# Allegro board 038RT-9068CJK8E-A100_0921_1.brd (continued)
## Nets (continued)
SLOT3.CH89: SLOT3-UP.E9 UNK3RD96.2
SLOT3.CH90: SLOT3-UP.F9 UNK3RD97.1
SLOT3.CH91: SLOT3-UP.E7 UNK3RD90.2
SLOT3.CH92: SLOT3-UP.F7 UNK3RD100.2
SLOT3.CH93: SLOT3-UP.E5 UNK3RD87.2
SLOT3.CH94: SLOT3-UP.F5 UNK3RD92.2
SLOT3.CH95: SLOT3-UP.E3 UNK3K183.5
SLOT3.CH96: MUX6.6(DA) SLOT3-DOWN.E25
SLOT3.CH97: MUX6.7(DB) SLOT3-DOWN.D24
SLOT3.CH98: MUX9.6(DA) SLOT3-DOWN.F24
SLOT3.CH99: MUX9.7(DB) SLOT3-DOWN.E23
SLOT3.CH100: SITE1.M7(GPIOE_3) SLOT3-DOWN.D22
SLOT3.CH101: SLOT3-DOWN.F22 UNK1K8.8 UNK3CD175.1
SLOT3.CH102: SLOT3-DOWN.E21 UNK3RD75.2
SLOT3.CH103: SLOT3-DOWN.D20 UNK1RD75.2
SLOT3.CH104: SLOT3-DOWN.F20 UNK2RD75.2
SLOT3.CH105: RD75.2 SLOT3-DOWN.E19
SLOT3.CH106: SLOT3-DOWN.D18 UNK1K233.4
SLOT3.CH107: SLOT3-DOWN.F18 UNK1RR933.2
SLOT3.CH108: SLOT3-DOWN.E17 UNK1K9.8 UNK3CD176.1
SLOT3.CH109: SLOT3-DOWN.D16 UNK1RR930.2
SLOT3.CH110: SLOT3-DOWN.F16 UNK1CD175.1 UNK1K8.5
SLOT3.CH111: SLOT3-DOWN.E15 UNK1CD176.1 UNK1K9.5
SLOT3.CH112: SLOT3-DOWN.D14 UNK1RR514.2
SLOT3.CH113: SLOT3-DOWN.F14 UNK1K183.5
SLOT3.CH114: SLOT3-DOWN.E13 UNK1RR515.2
SLOT3.CH115: SLOT3-DOWN.D12 UNK1RR511.2
SLOT3.CH116: SLOT3-DOWN.F12 UNK1RR510.2
SLOT3.CH117: SLOT3-DOWN.E11 UNK1RD73.2
SLOT3.CH118: SLOT3-DOWN.D10 UNK3RD73.2
SLOT3.CH119: SLOT3-DOWN.F10 UNK1HOST2.27 UNK1RH2271.1 UNK1RH2272.1
SLOT3.CH120: SLOT3-DOWN.E9 UNK2RD73.2
SLOT3.CH121: RD73.2 SLOT3-DOWN.F8
SLOT3.CH122: SLOT3-DOWN.E7 UNK1RR513.2
SLOT3.CH123: SLOT3-DOWN.F6 UNK1RR913.2
SLOT3.CH124: SLOT3-DOWN.E5 UNK1RR911.2
SLOT3.CH125: SLOT3-DOWN.F4 UNK1RR910.2
SLOT3.CH126: SLOT3-DOWN.E3 UNK1K7.10
SLOT3.CH127: SLOT3-DOWN.F2 UNK1RR914.2
SLOT3.DGS0: SLOT3-DOWN.B26 UNK3STB00.1
SLOT3.DGS64: SLOT3-UP.B5 UNK3STB64.1
SLOT3.EXTA0: SLOT3-UP.C6
SLOT3.EXTA1: SLOT3-UP.D7
SLOT3.EXTB0: SLOT3-UP.B3
SLOT3.EXTB1: SLOT3-UP.D3
SLOT3.EXTC0: SLOT3-DOWN.A27
SLOT3.EXTC1: SLOT3-DOWN.C27
SLOT3.EXTD0: SLOT3-DOWN.A25
SLOT3.EXTD1: SLOT3-DOWN.C25
SLOT3.PMU_F0: SLOT3-UP.A4
SLOT3.PMU_F1: SLOT3-DOWN.F26
SLOT3.PMU_G0: SLOT3-UP.D5
SLOT3.PMU_G1: SLOT3-DOWN.D27
SLOT3.PMU_S0: SLOT3-UP.C4
SLOT3.PMU_S1: SLOT3-DOWN.F27
SLOT3.UB0: K11.12(EMITTER) SLOT3-DOWN.A1 UNK1K11.12 UNK2K11.12 UNK3K11.12
SLOT3.UB1: K130.8(V-) SLOT3-DOWN.B2 UNK1K130.8 UNK2K130.8 UNK3K130.8
SLOT3.UB2: K8.12(EMITTER) SLOT3-DOWN.C1 UNK1K8.12
SLOT3.UB3: K60.8(V-) SLOT3-DOWN.C3 UNK1K60.8 UNK2K60.8 UNK3K60.8
SLOT3.UB4: K10.12(EMITTER) SLOT3-DOWN.D1 UNK1K10.12
SLOT3.UB5: K9.12(EMITTER) SLOT3-DOWN.D2 UNK1K9.12
SLOT3.UB6: RU11.1 SLOT3-DOWN.D3 UNK1RU11.1 UNK2RU11.1 UNK3RU11.1
SLOT3.UB7: R587.1 RU13.1 SLOT3-DOWN.D4
SLOT3.UB8: SLOT3-DOWN.D26
SLOT3.UB9: K241.8(V-) SLOT3-UP.A2 UNK1K241.8 UNK2K241.8 UNK3K241.8
SLOT3.UB10: K223.12(EMITTER) SLOT3-UP.B1 UNK1K223.12 UNK2K223.12 UNK3K223.12
SLOT3.UB11: SLOT3-UP.C2
SLOT3.UB12: K243.8(V-) SLOT3-UP.D1 UNK1K243.8 UNK2K243.8 UNK3K243.8
SLOT3.UB13: K240.8(V-) SLOT3-UP.E1 UNK1K240.8 UNK2K240.8 UNK3K240.8
SLOT3.UB14: K242.8(V-) SLOT3-UP.F1 UNK1K242.8 UNK2K242.8 UNK3K242.8
SLOT3.UB15: SLOT3-UP.F3
SLOT21.DGS00: SLOT21.C24
SLOT21.DGS01: SLOT21.C21
SLOT21.DGS02: SLOT21.C18
SLOT21.DGS03: SLOT21.C15
SLOT21.DGS04: SLOT21.C12
SLOT21.DGS05: SLOT21.C9
SLOT21.DGS06: SLOT21.C6
SLOT21.DGS07: SLOT21.C3
SLOT21.DGS08: SLOT21.D3
SLOT21.DGS09: SLOT21.D6
SLOT21.DGS10: SLOT21.D9
SLOT21.DGS11: SLOT21.D12
SLOT21.DGS12: SLOT21.D15
SLOT21.DGS13: SLOT21.D18
SLOT21.DGS14: SLOT21.D21
SLOT21.DGS15: SLOT21.D24
SLOT21.DGS16: SLOT21.F24
SLOT21.DGS17: SLOT21.F21
SLOT21.DGS18: SLOT21.F18
SLOT21.DGS19: SLOT21.F15
SLOT21.DGS20: SLOT21.F12
SLOT21.DGS21: SLOT21.F9
SLOT21.DGS22: SLOT21.F6
SLOT21.DGS23: SLOT21.F3
SLOT21.DGS24: SLOT21.A3
SLOT21.DGS25: SLOT21.A6
SLOT21.DGS26: SLOT21.A9
SLOT21.DGS27: SLOT21.A12
SLOT21.DGS28: SLOT21.A15
SLOT21.DGS29: SLOT21.A18
SLOT21.DGS30: SLOT21.A21
SLOT21.DGS31: SLOT21.A24
SLOT21.EXTSEND: SLOT21.F1
SLOT21.EXTTRIG: SLOT21.F4
SLOT21.FORCE00: SLOT21.D22
SLOT21.FORCE01: SLOT21.D19
SLOT21.FORCE02: SLOT21.D16
SLOT21.FORCE03: SLOT21.D13
SLOT21.FORCE04: SLOT21.D10
SLOT21.FORCE05: SLOT21.D7
SLOT21.FORCE06: SLOT21.D4
SLOT21.FORCE07: SLOT21.D1
SLOT21.FORCE08: SLOT21.E1
SLOT21.FORCE09: SLOT21.E4
SLOT21.FORCE10: SLOT21.E7
SLOT21.FORCE11: SLOT21.E10
SLOT21.FORCE12: SLOT21.E13
SLOT21.FORCE13: SLOT21.E16
SLOT21.FORCE14: SLOT21.E19
SLOT21.FORCE15: SLOT21.E22
SLOT21.FORCE16: SLOT21.E23
SLOT21.FORCE17: SLOT21.E20
SLOT21.FORCE18: SLOT21.E17
SLOT21.FORCE19: SLOT21.E14
SLOT21.FORCE20: SLOT21.E11
SLOT21.FORCE21: SLOT21.E8
SLOT21.FORCE22: SLOT21.E5
SLOT21.FORCE23: SLOT21.E2
SLOT21.FORCE24: SLOT21.B1
SLOT21.FORCE25: SLOT21.B4
SLOT21.FORCE26: SLOT21.B7
SLOT21.FORCE27: SLOT21.B10
SLOT21.FORCE28: SLOT21.B13
SLOT21.FORCE29: SLOT21.B16
SLOT21.FORCE30: SLOT21.B19
SLOT21.FORCE31: SLOT21.B22
SLOT21.SENSE00: SLOT21.C22
SLOT21.SENSE01: SLOT21.C19
SLOT21.SENSE02: SLOT21.C16
SLOT21.SENSE03: SLOT21.C13
SLOT21.SENSE04: SLOT21.C10
SLOT21.SENSE05: SLOT21.C7
SLOT21.SENSE06: SLOT21.C4
SLOT21.SENSE07: SLOT21.C1
SLOT21.SENSE08: SLOT21.C2
SLOT21.SENSE09: SLOT21.C5
SLOT21.SENSE10: SLOT21.C8
SLOT21.SENSE11: SLOT21.C11
SLOT21.SENSE12: SLOT21.C14
SLOT21.SENSE13: SLOT21.C17
SLOT21.SENSE14: SLOT21.C20
SLOT21.SENSE15: SLOT21.C23
SLOT21.SENSE16: SLOT21.F23
SLOT21.SENSE17: SLOT21.F20
SLOT21.SENSE18: SLOT21.F17
SLOT21.SENSE19: SLOT21.F14
SLOT21.SENSE20: SLOT21.F11
SLOT21.SENSE21: SLOT21.F8
SLOT21.SENSE22: SLOT21.F5
SLOT21.SENSE23: SLOT21.F2
SLOT21.SENSE24: SLOT21.A1
SLOT21.SENSE25: SLOT21.A4
SLOT21.SENSE26: SLOT21.A7
SLOT21.SENSE27: SLOT21.A10
SLOT21.SENSE28: SLOT21.A13
SLOT21.SENSE29: SLOT21.A16
SLOT21.SENSE30: SLOT21.A19
SLOT21.SENSE31: SLOT21.A22
SLOT22.DGS00: SLOT22.C24
SLOT22.DGS01: SLOT22.C21
SLOT22.DGS02: SLOT22.C18
SLOT22.DGS03: SLOT22.C15
SLOT22.DGS04: SLOT22.C12
SLOT22.DGS05: SLOT22.C9
SLOT22.DGS06: SLOT22.C6
SLOT22.DGS07: SLOT22.C3
SLOT22.DGS08: SLOT22.D3
SLOT22.DGS09: SLOT22.D6
SLOT22.DGS10: SLOT22.D9
SLOT22.DGS11: SLOT22.D12
SLOT22.DGS12: SLOT22.D15
SLOT22.DGS13: SLOT22.D18
SLOT22.DGS14: SLOT22.D21
SLOT22.DGS15: SLOT22.D24
SLOT22.DGS16: SLOT22.F24
SLOT22.DGS17: SLOT22.F21
SLOT22.DGS18: SLOT22.F18
SLOT22.DGS19: SLOT22.F15
SLOT22.DGS20: SLOT22.F12
SLOT22.DGS21: SLOT22.F9
SLOT22.DGS22: SLOT22.F6
SLOT22.DGS23: SLOT22.F3
SLOT22.DGS24: SLOT22.A3
SLOT22.DGS25: SLOT22.A6
SLOT22.DGS26: SLOT22.A9
SLOT22.DGS27: SLOT22.A12
SLOT22.DGS28: SLOT22.A15
SLOT22.DGS29: SLOT22.A18
SLOT22.DGS30: SLOT22.A21
SLOT22.DGS31: SLOT22.A24
SLOT22.EXTSEND: SLOT22.F1
SLOT22.EXTTRIG: SLOT22.F4
SLOT22.FORCE00: SLOT22.D22
SLOT22.FORCE01: SLOT22.D19
SLOT22.FORCE02: SLOT22.D16
SLOT22.FORCE03: SLOT22.D13
SLOT22.FORCE04: SLOT22.D10
SLOT22.FORCE05: SLOT22.D7
SLOT22.FORCE06: SLOT22.D4
SLOT22.FORCE07: SLOT22.D1
SLOT22.FORCE08: SLOT22.E1
SLOT22.FORCE09: SLOT22.E4
SLOT22.FORCE10: SLOT22.E7
SLOT22.FORCE11: SLOT22.E10
SLOT22.FORCE12: SLOT22.E13
SLOT22.FORCE13: SLOT22.E16
SLOT22.FORCE14: SLOT22.E19
SLOT22.FORCE15: SLOT22.E22
SLOT22.FORCE16: SLOT22.E23
SLOT22.FORCE17: SLOT22.E20
SLOT22.FORCE18: SLOT22.E17
SLOT22.FORCE19: SLOT22.E14
SLOT22.FORCE20: SLOT22.E11
SLOT22.FORCE21: SLOT22.E8
SLOT22.FORCE22: SLOT22.E5
SLOT22.FORCE23: SLOT22.E2
SLOT22.FORCE24: SLOT22.B1
SLOT22.FORCE25: SLOT22.B4
SLOT22.FORCE26: SLOT22.B7
SLOT22.FORCE27: SLOT22.B10
SLOT22.FORCE28: SLOT22.B13
SLOT22.FORCE29: SLOT22.B16
SLOT22.FORCE30: SLOT22.B19
SLOT22.FORCE31: SLOT22.B22
SLOT22.SENSE00: SLOT22.C22
SLOT22.SENSE01: SLOT22.C19
SLOT22.SENSE02: SLOT22.C16
SLOT22.SENSE03: SLOT22.C13
SLOT22.SENSE04: SLOT22.C10
SLOT22.SENSE05: SLOT22.C7
SLOT22.SENSE06: SLOT22.C4
SLOT22.SENSE07: SLOT22.C1
SLOT22.SENSE08: SLOT22.C2
SLOT22.SENSE09: SLOT22.C5
SLOT22.SENSE10: SLOT22.C8
SLOT22.SENSE11: SLOT22.C11
SLOT22.SENSE12: SLOT22.C14
SLOT22.SENSE13: SLOT22.C17
SLOT22.SENSE14: SLOT22.C20
SLOT22.SENSE15: SLOT22.C23
SLOT22.SENSE16: SLOT22.F23
SLOT22.SENSE17: SLOT22.F20
SLOT22.SENSE18: SLOT22.F17
SLOT22.SENSE19: SLOT22.F14
SLOT22.SENSE20: SLOT22.F11
SLOT22.SENSE21: SLOT22.F8
SLOT22.SENSE22: SLOT22.F5
SLOT22.SENSE23: SLOT22.F2
SLOT22.SENSE24: SLOT22.A1
SLOT22.SENSE25: SLOT22.A4
SLOT22.SENSE26: SLOT22.A7
SLOT22.SENSE27: SLOT22.A10
SLOT22.SENSE28: SLOT22.A13
SLOT22.SENSE29: SLOT22.A16
SLOT22.SENSE30: SLOT22.A19
SLOT22.SENSE31: SLOT22.A22
SLOT23.DGS00: SLOT23.C21 SLOT23.C24 STG1.2
SLOT23.DGS02: SLOT23.C18 UNK2STG3.2
SLOT23.DGS03: SLOT23.C15 UNK2STG2.2
SLOT23.DGS04: SLOT23.C12 STG6.2
SLOT23.DGS05: SLOT23.C9 STG3.2
SLOT23.DGS06: SLOT23.C3 SLOT23.C6 UNK2STG1.2
SLOT23.DGS08: SLOT23.D3 STG2.2
SLOT23.DGS09: SLOT23.D6 STG01.2
SLOT23.DGS10: SLOT23.D9
SLOT23.DGS11: SLOT23.D12
SLOT23.DGS12: SLOT23.D15
SLOT23.DGS13: SLOT23.D18
SLOT23.DGS14: SLOT23.D21
SLOT23.DGS15: SLOT23.D24 UNK2STG01.2
SLOT23.DGS16: SLOT23.F21 SLOT23.F24 UNK2STG5.2
SLOT23.DGS18: SLOT23.F18 UNK2STG6.2
SLOT23.DGS19: SLOT23.F15
SLOT23.DGS20: SLOT23.F12
SLOT23.DGS21: SLOT23.F9
SLOT23.DGS22: SLOT23.F3 SLOT23.F6 STG5.2
SLOT23.DGS24: SLOT23.A3
SLOT23.DGS25: SLOT23.A6
SLOT23.DGS26: SLOT23.A9
SLOT23.DGS27: SLOT23.A12
SLOT23.DGS28: SLOT23.A15
SLOT23.DGS29: SLOT23.A18
SLOT23.DGS30: SLOT23.A21
SLOT23.DGS31: SLOT23.A24
SLOT23.EXTSEND: SLOT23.F1
SLOT23.EXTTRIG: SLOT23.F4
SLOT23.FORCE09: CH1332.1 CH1333.1 CH1334.1 RHPC1.2 SLOT23.E4 ST01.1
SLOT23.FORCE10: SLOT23.E7
SLOT23.FORCE11: SLOT23.E10
SLOT23.FORCE12: SLOT23.E13
SLOT23.FORCE13: SLOT23.E16
SLOT23.FORCE14: SLOT23.E19
SLOT23.FORCE15: SLOT23.E22 UNK2CH1332.1 UNK2CH1333.1 UNK2CH1334.1 UNK2RHPC1.2 UNK2ST01.1
SLOT23.FORCE19: SLOT23.E14
SLOT23.FORCE20: SLOT23.E11
SLOT23.FORCE21: SLOT23.E8
SLOT23.FORCE24: SLOT23.B1
SLOT23.FORCE25: SLOT23.B4
SLOT23.FORCE26: SLOT23.B7
SLOT23.FORCE27: SLOT23.B10
SLOT23.FORCE28: SLOT23.B13
SLOT23.FORCE29: SLOT23.B16
SLOT23.FORCE30: SLOT23.B19
SLOT23.FORCE31: SLOT23.B22
SLOT23.SENSE00: RS11.2 SLOT23.C22
SLOT23.SENSE01: RS11.1 SLOT23.C19 ST1.2
SLOT23.SENSE02: SLOT23.C16 UNK2ST3.2
SLOT23.SENSE03: SLOT23.C13 UNK2ST2.2
SLOT23.SENSE04: SLOT23.C10 ST6.2
SLOT23.SENSE05: SLOT23.C7 ST3.2
SLOT23.SENSE06: SLOT23.C4 UNK2RS11.2
SLOT23.SENSE07: SLOT23.C1 UNK2RS11.1 UNK2ST1.2
SLOT23.SENSE08: SLOT23.C2 ST2.2
SLOT23.SENSE09: SLOT23.C5 ST01.2
SLOT23.SENSE10: SLOT23.C8
SLOT23.SENSE11: SLOT23.C11
SLOT23.SENSE12: SLOT23.C14
SLOT23.SENSE13: SLOT23.C17
SLOT23.SENSE14: SLOT23.C20
SLOT23.SENSE15: SLOT23.C23 UNK2ST01.2
SLOT23.SENSE16: SLOT23.F23 UNK2RS5.2
SLOT23.SENSE17: SLOT23.F20 UNK2RS5.1 UNK2ST5.2
SLOT23.SENSE18: SLOT23.F17 UNK2ST6.2
SLOT23.SENSE19: SLOT23.F14
SLOT23.SENSE20: SLOT23.F11
SLOT23.SENSE21: SLOT23.F8
SLOT23.SENSE22: RS5.2 SLOT23.F5
SLOT23.SENSE23: RS5.1 SLOT23.F2 ST5.2
SLOT23.SENSE24: SLOT23.A1
SLOT23.SENSE25: SLOT23.A4
SLOT23.SENSE26: SLOT23.A7
SLOT23.SENSE27: SLOT23.A10
SLOT23.SENSE28: SLOT23.A13
SLOT23.SENSE29: SLOT23.A16
SLOT23.SENSE30: SLOT23.A19
SLOT23.SENSE31: SLOT23.A22
SLOT24.DGS00: SLOT24.C21 SLOT24.C24 UNK3STG1.2
SLOT24.DGS02: SLOT24.C18 UNK3STG3.2
SLOT24.DGS03: SLOT24.C15 UNK3STG01.2
SLOT24.DGS04: SLOT24.C12 UNK1STG01.2
SLOT24.DGS05: SLOT24.C9 UNK1STG3.2
SLOT24.DGS06: SLOT24.C3 SLOT24.C6 UNK1STG1.2
SLOT24.DGS08: SLOT24.D3 UNK1STG6.2
SLOT24.DGS09: SLOT24.D6 UNK1STG2.2
SLOT24.DGS10: SLOT24.D9
SLOT24.DGS11: SLOT24.D12
SLOT24.DGS12: SLOT24.D15
SLOT24.DGS13: SLOT24.D18
SLOT24.DGS14: SLOT24.D21 UNK3STG6.2
SLOT24.DGS15: SLOT24.D24 UNK3STG2.2
SLOT24.DGS16: SLOT24.F21 SLOT24.F24 UNK3STG5.2
SLOT24.DGS18: SLOT24.F18
SLOT24.DGS19: SLOT24.F15
SLOT24.DGS20: SLOT24.F12
SLOT24.DGS21: SLOT24.F9
SLOT24.DGS22: SLOT24.F3 SLOT24.F6 UNK1STG5.2
SLOT24.DGS24: SLOT24.A3
SLOT24.DGS25: SLOT24.A6
SLOT24.DGS26: SLOT24.A9
SLOT24.DGS27: SLOT24.A12
SLOT24.DGS28: SLOT24.A15
SLOT24.DGS29: SLOT24.A18
SLOT24.DGS30: SLOT24.A21
SLOT24.DGS31: SLOT24.A24
SLOT24.EXTSEND: SLOT24.F1
SLOT24.EXTTRIG: SLOT24.F4
SLOT24.FORCE03: SLOT24.D13 UNK3CH1332.1 UNK3CH1333.1 UNK3CH1334.1 UNK3RHPC1.2 UNK3ST01.1
SLOT24.FORCE04: SLOT24.D10 UNK1CH1332.1 UNK1CH1333.1 UNK1CH1334.1 UNK1RHPC1.2 UNK1ST01.1
SLOT24.FORCE10: SLOT24.E7
SLOT24.FORCE11: SLOT24.E10
SLOT24.FORCE12: SLOT24.E13
SLOT24.FORCE13: SLOT24.E16
SLOT24.FORCE18: SLOT24.E17
SLOT24.FORCE19: SLOT24.E14
SLOT24.FORCE20: SLOT24.E11
SLOT24.FORCE21: SLOT24.E8
SLOT24.FORCE24: SLOT24.B1
SLOT24.FORCE25: SLOT24.B4
SLOT24.FORCE26: SLOT24.B7
SLOT24.FORCE27: SLOT24.B10
SLOT24.FORCE28: SLOT24.B13
SLOT24.FORCE29: SLOT24.B16
SLOT24.FORCE30: SLOT24.B19
SLOT24.FORCE31: SLOT24.B22
SLOT24.SENSE00: SLOT24.C22 UNK3RS11.2
SLOT24.SENSE01: SLOT24.C19 UNK3RS11.1 UNK3ST1.2
SLOT24.SENSE02: SLOT24.C16 UNK3ST3.2
SLOT24.SENSE03: SLOT24.C13 UNK3ST01.2
SLOT24.SENSE04: SLOT24.C10 UNK1ST01.2
SLOT24.SENSE05: SLOT24.C7 UNK1ST3.2
SLOT24.SENSE06: SLOT24.C4 UNK1RS11.2
SLOT24.SENSE07: SLOT24.C1 UNK1RS11.1 UNK1ST1.2
SLOT24.SENSE08: SLOT24.C2 UNK1ST6.2
SLOT24.SENSE09: SLOT24.C5 UNK1ST2.2
SLOT24.SENSE10: SLOT24.C8
SLOT24.SENSE11: SLOT24.C11
SLOT24.SENSE12: SLOT24.C14
SLOT24.SENSE13: SLOT24.C17
SLOT24.SENSE14: SLOT24.C20 UNK3ST6.2
SLOT24.SENSE15: SLOT24.C23 UNK3ST2.2
SLOT24.SENSE16: SLOT24.F23 UNK3RS5.2
SLOT24.SENSE17: SLOT24.F20 UNK3RS5.1 UNK3ST5.2
SLOT24.SENSE18: SLOT24.F17
SLOT24.SENSE19: SLOT24.F14
SLOT24.SENSE20: SLOT24.F11
SLOT24.SENSE21: SLOT24.F8
SLOT24.SENSE22: SLOT24.F5 UNK1RS5.2
SLOT24.SENSE23: SLOT24.F2 UNK1RS5.1 UNK1ST5.2
SLOT24.SENSE24: SLOT24.A1
SLOT24.SENSE25: SLOT24.A4
SLOT24.SENSE26: SLOT24.A7
SLOT24.SENSE27: SLOT24.A10
SLOT24.SENSE28: SLOT24.A13
SLOT24.SENSE29: SLOT24.A16
SLOT24.SENSE30: SLOT24.A19
SLOT24.SENSE31: SLOT24.A22
SYSCLKN: SLOT18.C22
SYSCLKP: SLOT18.C21
TDRIO: SLOT18.B23
VDC: BDB23.2 BDB24.2 BDB25.2 BST_P45V.3 CA3.1 CB243.1 CB244.1 R18.2 RG1.2 UNK1R18.2 UNK1RG1.2 UNK2R18.2 UNK2RG1.2 UNK3R18.2 UNK3RG1.2
VN15: CT12.1 CT13.1 LDB6.2(B) SLOT18.A1 SLOT18.B1 TP_VN15.1(TP)
VP5A: CT1.1 CT4.1 CT5.1 LRB2.1 R587.2 R588.2 R589.2 R590.2 R591.2 R592.2 RB1.1 SLOT18.B5 SLOT18.C5 TP_VP5A.1(TP) UB1.8(VCC)
VP5A_RLD: LDB2.1(A) LRB2.2
VP5B: CT2.1 CT3.1 LRB1.1 SLOT18.A10 SLOT18.A12 SLOT18.A14 SLOT18.A15 SLOT18.B10 SLOT18.B12 SLOT18.B14 SLOT18.C10 SLOT18.C12 SLOT18.C14 TP_VP5B.1(TP)
VP5B_EN: RBB8.1 SLOT18.C16
VP5B_RLD: LDB1.1(A) LRB1.2
VP12: CBB0.1 CBB1.1 CBB2.1 CBB3.1 CBB4.1 CBB5.1 CBB6.1 CT6.1 CT7.1 FILTER1.1(B) LRB3.2 SLOT18.A4 SLOT18.B4 TP_VP12.1(TP)
VP12_F: FILTER1.2(CB) K4.1(COLLECTOR) K5.1(COLLECTOR) K6.1(COLLECTOR) K7.1(COLLECTOR) K8.1(COLLECTOR) K9.1(COLLECTOR) K10.1(COLLECTOR) K11.1(COLLECTOR) K34.1(V+) K52.1(V+) K54.1(V+) K56.1(V+) K58.1(V+) K60.1(V+) K64.1(V+) K82.1(COLLECTOR) K124.1(V+) K130.1(V+) K140.1(V+) K180.1(V+) K181.1(V+) K182.1(V+) K183.1(V+) K211.1(V+) K212.1(V+) K220.1(V+) K221.1(V+) K223.1(COLLECTOR) K225.1(V+) K226.1(V+) K227.1(V+) K228.1(V+) K231.1(V+) K232.1(V+) K233.1(V+) K240.1(V+) K241.1(V+) K242.1(V+) K243.1(V+) KB1.1(COLLECTOR) MUX1.12(VDD) MUX2.12(VDD) MUX3.12(VDD) MUX4.12(VDD) MUX5.12(VDD) MUX6.12(VDD) MUX7.12(VDD) MUX8.12(VDD) MUX9.12(VDD) MUX10.12(VDD) MUX11.12(VDD) MUX12.12(VDD) MUX13.12(VDD) MUX14.12(VDD) MUX15.12(VDD) MUX16.12(VDD) UNK1K4.1 UNK1K5.1 UNK1K6.1 UNK1K7.1 UNK1K8.1 UNK1K9.1 UNK1K10.1 UNK1K11.1 UNK1K34.1 UNK1K52.1 UNK1K54.1 UNK1K56.1 UNK1K58.1 UNK1K60.1 UNK1K64.1 UNK1K82.1 UNK1K124.1 UNK1K130.1 UNK1K140.1 UNK1K180.1 UNK1K181.1 UNK1K182.1 UNK1K183.1 UNK1K211.1 UNK1K212.1 UNK1K220.1 UNK1K221.1 UNK1K223.1 UNK1K225.1 UNK1K226.1 UNK1K227.1 UNK1K228.1 UNK1K231.1 UNK1K232.1 UNK1K233.1 UNK1K240.1 UNK1K241.1 UNK1K242.1 UNK1K243.1 UNK2K4.1 UNK2K5.1 UNK2K6.1 UNK2K7.1 UNK2K11.1 UNK2K34.1 UNK2K52.1 UNK2K54.1 UNK2K56.1 UNK2K58.1 UNK2K60.1 UNK2K64.1 UNK2K124.1 UNK2K130.1 UNK2K140.1 UNK2K180.1 UNK2K181.1 UNK2K182.1 UNK2K183.1 UNK2K211.1 UNK2K212.1 UNK2K220.1 UNK2K221.1 UNK2K223.1 UNK2K225.1 UNK2K226.1 UNK2K227.1 UNK2K228.1 UNK2K231.1 UNK2K232.1 UNK2K233.1 UNK2K240.1 UNK2K241.1 UNK2K242.1 UNK2K243.1 UNK3K4.1 UNK3K5.1 UNK3K6.1 UNK3K7.1 UNK3K11.1 UNK3K34.1 UNK3K52.1 UNK3K54.1 UNK3K56.1 UNK3K58.1 UNK3K60.1 UNK3K64.1 UNK3K124.1 UNK3K130.1 UNK3K140.1 UNK3K180.1 UNK3K181.1 UNK3K182.1 UNK3K183.1 UNK3K211.1 UNK3K212.1 UNK3K220.1 UNK3K221.1 UNK3K223.1 UNK3K225.1 UNK3K226.1 UNK3K227.1 UNK3K228.1 UNK3K231.1 UNK3K232.1 UNK3K233.1 UNK3K240.1 UNK3K241.1 UNK3K242.1 UNK3K243.1
VP12_R: FILTER1.4(CG1) FILTER1.5(CG2) FILTER1.6(CG3) R1.1
VP12_RLD: LDB3.1(A) LRB3.1
VP15: CT10.1 CT11.1 LRB5.2 SLOT18.A2 SLOT18.B2 TP_VP15.1(TP)
VP15_RLD: LDB5.1(A) LRB5.1
VP24: CT8.1 CT9.1 LRB4.2 SLOT18.A3 SLOT18.B3 TP_VP24.1(TP)
VP24_RLD: LDB4.1(A) LRB4.1
VR24: SLOT18.C3 SLOT18.C4
N16084055: LDB6.1(A) LRB6.1
N44862767: RB1.2 UB1.3(W\P\) UB1.7(H\O\L\D\)

Pads without a net: ATX1 8 9 14 20; CON1 4 5 7 8; CON3 4 5 7 8; FD1 1; FD2 1; FD3 1; FD4 1; FD5 1; FD6 1; FD7 1; FD8 1; FD9 1; FD10 1; FD11 1; FD12 1; FD13 1; FD14 1; FD15 1; FD16 1; FD17 1; FD18 1; FD19 1; FD20 1; FD21 1; FD22 1; FD23 1; FD24 1; FD25 1; FD26 1; FD27 1; FD28 1; FD29 1; FD30 1; FD31 1; FD32 1; FD33 1; FD34 1; FD35 1; FD36 1; GOLD0 NUT1 NUT2 NUT3 NUT4; GOLD1 NUT1 NUT2 NUT3 NUT4; GOLD2 NUT1 NUT2 NUT3 NUT4; GOLD3 NUT1 NUT2 NUT3 NUT4; HOST1 37 38 41 42 43 44 46 47 48 49 56 57 58 59 NUT1 NUT2 NUT3 NUT4; HOST2 37 38 41 42 43 44 46 47 48 49 56 57 58 59 NUT1 NUT2 NUT3 NUT4; K5 8; K6 8; K7 3; K54 2 7; K58 2 7; K124 2 7; K144 18 42; K145 6 7 15 16 18 22 23 26 27 31 32 35 36 42; K184 18 42; K213 18 42; K214 18 42; K217 2 3 6 7 18 31 32 33 34 35 36 37 38 42; K223 8 9 10; K228 5 6 7; K231 2 3 4; K240 4 5; K241 4 5; K242 4 5; K243 4 5; KB1 3 10; LOGO1 1; LOGO2 1; MQS1 5 14; MUX16 7 8 9 10 11; PT1 GH1 GH2; PT3 GH1 GH2; QFN68-8X8-P0.4MM 1; R553 2; R555 2; R556 2; R557 2; R558 2; R559 2; R560 2; R561 2; R562 2; R567 2; R578 2; R579 2; R580 2; R581 2; R582 2; R583 2; RG73 2; RG74 2; RG75 2; RG76 2; RG77 2; RG78 2; RH130 2; RH132 2; RH152 1; RH162 1; RH182 1; RH192 1; RH230 2; RH232 2; RH252 1; RH262 1; RH282 1; RH292 1; RH1104 1; RH1182 1; RH1192 1; RH1232 1; RH1243 1; RH1263 1; RH1273 1; RH1283 1; RH2104 1; RH2182 1; RH2192 1; RH2232 1; RH2243 1; RH2263 1; RH2273 1; RH2283 1; RL38 2; RTL9068ABD-V2-GR1 1; SITE0 NUT1 NUT2 NUT3 NUT4; SITE1 NUT1 NUT2 NUT3 NUT4; SITE2 NUT1 NUT2 NUT3 NUT4; SITE3 NUT1 NUT2 NUT3 NUT4; SKB1 NUT1 NUT2 NUT3 NUT4; SLOT0-DOWN D6 D8; SLOT0-UP D9 D11; SLOT1-DOWN D6 D8; SLOT1-UP D9 D11; SLOT2-DOWN D6 D8; SLOT2-UP D9 D11; SLOT3-DOWN D6 D8; SLOT3-UP D9 D11; SLOT4-DOWN A1 A2 A3 A4 A5 A6 A7 A8 A9 A10 A11 A12 A13 A14 A15 A16 A17 A18 A19 A20 A21 A22 A23 A24 A25 A26 A27 B1 B2 B3 B4 B5 B6 B7 B8 B9 B10 B11 B12 B13 B14 B15 B16 B17 B18 B19 B20 B21 B22 B23 B24 B25 B26 B27 C1 C2 C3 C4 C5 C6 C7 C8 C9 C10 C11 C12 C13 C14 C15 C16 C17 C18 C19 C20 C21 C22 C23 C24 C25 C26 C27 D1 D2 D3 D4 D5 D6 D7 D8 D9 D10 D11 D12 D13 D14 D15 D16 D17 D18 D19 D20 D21 D22 D23 D24 D25 D26 D27 E1 E2 E3 E4 E5 E6 E7 E8 E9 E10 E11 E12 E13 E14 E15 E16 E17 E18 E19 E20 E21 E22 E23 E24 E25 E26 F1 F2 F3 F4 F5 F6 F7 F8 F9 F10 F11 F12 F13 F14 F15 F16 F17 F18 F19 F20 F21 F22 F23 F24 F25 F26 F27; SLOT4-UP A1 A2 A3 A4 A5 A6 A7 A8 A9 A10 A11 A12 A13 A14 A15 A16 A17 A18 A19 A20 A21 A22 A23 A24 A25 A26 A27 B1 B2 B3 B4 B5 B6 B7 B8 B9 B10 B11 B12 B13 B14 B15 B16 B17 B18 B19 B20 B21 B22 B23 B24 B25 B26 B27 C1 C2 C3 C4 C5 C6 C7 C8 C9 C10 C11 C12 C13 C14 C15 C16 C17 C18 C19 C20 C21 C22 C23 C24 C25 C26 C27 D1 D2 D3 D4 D5 D6 D7 D8 D9 D10 D11 D12 D13 D14 D15 D16 D17 D18 D19 D20 D21 D22 D23 D24 D25 D26 D27 E1 E2 E3 E4 E5 E6 E7 E8 E9 E10 E11 E12 E13 E14 E15 E16 E17 E18 E19 E20 E21 E22 E23 E24 E25 E26 F1 F2 F3 F4 F5 F6 F7 F8 F9 F10 F11 F12 F13 F14 F15 F16 F17 F18 F19 F20 F21 F22 F23 F24 F25 F26 F27; SLOT5-DOWN A1 A2 A3 A4 A5 A6 A7 A8 A9 A10 A11 A12 A13 A14 A15 A16 A17 A18 A19 A20 A21 A22 A23 A24 A25 A26 A27 B1 B2 B3 B4 B5 B6 B7 B8 B9 B10 B11 B12 B13 B14 B15 B16 B17 B18 B19 B20 B21 B22 B23 B24 B25 B26 B27 C1 C2 C3 C4 C5 C6 C7 C8 C9 C10 C11 C12 C13 C14 C15 C16 C17 C18 C19 C20 C21 C22 C23 C24 C25 C26 C27 D1 D2 D3 D4 D5 D6 D7 D8 D9 D10 D11 D12 D13 D14 D15 D16 D17 D18 D19 D20 D21 D22 D23 D24 D25 D26 D27 E1 E2 E3 E4 E5 E6 E7 E8 E9 E10 E11 E12 E13 E14 E15 E16 E17 E18 E19 E20 E21 E22 E23 E24 E25 E26 F1 F2 F3 F4 F5 F6 F7 F8 F9 F10 F11 F12 F13 F14 F15 F16 F17 F18 F19 F20 F21 F22 F23 F24 F25 F26 F27; SLOT5-UP A1 A2 A3 A4 A5 A6 A7 A8 A9 A10 A11 A12 A13 A14 A15 A16 A17 A18 A19 A20 A21 A22 A23 A24 A25 A26 A27 B1 B2 B3 B4 B5 B6 B7 B8 B9 B10 B11 B12 B13 B14 B15 B16 B17 B18 B19 B20 B21 B22 B23 B24 B25 B26 B27 C1 C2 C3 C4 C5 C6 C7 C8 C9 C10 C11 C12 C13 C14 C15 C16 C17 C18 C19 C20 C21 C22 C23 C24 C25 C26 C27 D1 D2 D3 D4 D5 D6 D7 D8 D9 D10 D11 D12 D13 D14 D15 D16 D17 D18 D19 D20 D21 D22 D23 D24 D25 D26 D27 E1 E2 E3 E4 E5 E6 E7 E8 E9 E10 E11 E12 E13 E14 E15 E16 E17 E18 E19 E20 E21 E22 E23 E24 E25 E26 F1 F2 F3 F4 F5 F6 F7 F8 F9 F10 F11 F12 F13 F14 F15 F16 F17 F18 F19 F20 F21 F22 F23 F24 F25 F26 F27; SLOT6-DOWN A1 A2 A3 A4 A5 A6 A7 A8 A9 A10 A11 A12 A13 A14 A15 A16 A17 A18 A19 A20 A21 A22 A23 A24 A25 A26 A27 B1 B2 B3 B4 B5 B6 B7 B8 B9 B10 B11 B12 B13 B14 B15 B16 B17 B18 B19 B20 B21 B22 B23 B24 B25 B26 B27 C1 C2 C3 C4 C5 C6 C7 C8 C9 C10 C11 C12 C13 C14 C15 C16 C17 C18 C19 C20 C21 C22 C23 C24 C25 C26 C27 D1 D2 D3 D4 D5 D6 D7 D8 D9 D10 D11 D12 D13 D14 D15 D16 D17 D18 D19 D20 D21 D22 D23 D24 D25 D26 D27 E1 E2 E3 E4 E5 E6 E7 E8 E9 E10 E11 E12 E13 E14 E15 E16 E17 E18 E19 E20 E21 E22 E23 E24 E25 E26 F1 F2 F3 F4 F5 F6 F7 F8 F9 F10 F11 F12 F13 F14 F15 F16 F17 F18 F19 F20 F21 F22 F23 F24 F25 F26 F27; SLOT6-UP A1 A2 A3 A4 A5 A6 A7 A8 A9 A10 A11 A12 A13 A14 A15 A16 A17 A18 A19 A20 A21 A22 A23 A24 A25 A26 A27 B1 B2 B3 B4 B5 B6 B7 B8 B9 B10 B11 B12 B13 B14 B15 B16 B17 B18 B19 B20 B21 B22 B23 B24 B25 B26 B27 C1 C2 C3 C4 C5 C6 C7 C8 C9 C10 C11 C12 C13 C14 C15 C16 C17 C18 C19 C20 C21 C22 C23 C24 C25 C26 C27 D1 D2 D3 D4 D5 D6 D7 D8 D9 D10 D11 D12 D13 D14 D15 D16 D17 D18 D19 D20 D21 D22 D23 D24 D25 D26 D27 E1 E2 E3 E4 E5 E6 E7 E8 E9 E10 E11 E12 E13 E14 E15 E16 E17 E18 E19 E20 E21 E22 E23 E24 E25 E26 F1 F2 F3 F4 F5 F6 F7 F8 F9 F10 F11 F12 F13 F14 F15 F16 F17 F18 F19 F20 F21 F22 F23 F24 F25 F26 F27; SLOT7-DOWN A1 A2 A3 A4 A5 A6 A7 A8 A9 A10 A11 A12 A13 A14 A15 A16 A17 A18 A19 A20 A21 A22 A23 A24 A25 A26 A27 B1 B2 B3 B4 B5 B6 B7 B8 B9 B10 B11 B12 B13 B14 B15 B16 B17 B18 B19 B20 B21 B22 B23 B24 B25 B26 B27 C1 C2 C3 C4 C5 C6 C7 C8 C9 C10 C11 C12 C13 C14 C15 C16 C17 C18 C19 C20 C21 C22 C23 C24 C25 C26 C27 D1 D2 D3 D4 D5 D6 D7 D8 D9 D10 D11 D12 D13 D14 D15 D16 D17 D18 D19 D20 D21 D22 D23 D24 D25 D26 D27 E1 E2 E3 E4 E5 E6 E7 E8 E9 E10 E11 E12 E13 E14 E15 E16 E17 E18 E19 E20 E21 E22 E23 E24 E25 E26 F1 F2 F3 F4 F5 F6 F7 F8 F9 F10 F11 F12 F13 F14 F15 F16 F17 F18 F19 F20 F21 F22 F23 F24 F25 F26 F27; SLOT7-UP A1 A2 A3 A4 A5 A6 A7 A8 A9 A10 A11 A12 A13 A14 A15 A16 A17 A18 A19 A20 A21 A22 A23 A24 A25 A26 A27 B1 B2 B3 B4 B5 B6 B7 B8 B9 B10 B11 B12 B13 B14 B15 B16 B17 B18 B19 B20 B21 B22 B23 B24 B25 B26 B27 C1 C2 C3 C4 C5 C6 C7 C8 C9 C10 C11 C12 C13 C14 C15 C16 C17 C18 C19 C20 C21 C22 C23 C24 C25 C26 C27 D1 D2 D3 D4 D5 D6 D7 D8 D9 D10 D11 D12 D13 D14 D15 D16 D17 D18 D19 D20 D21 D22 D23 D24 D25 D26 D27 E1 E2 E3 E4 E5 E6 E7 E8 E9 E10 E11 E12 E13 E14 E15 E16 E17 E18 E19 E20 E21 E22 E23 E24 E25 E26 F1 F2 F3 F4 F5 F6 F7 F8 F9 F10 F11 F12 F13 F14 F15 F16 F17 F18 F19 F20 F21 F22 F23 F24 F25 F26 F27; SLOT16 A25 A26 A27 B25 B26 B27 C25 C26 C27 D1 D2 D3 D4 D5 D6 D7 D8 D9 D10 D11 D12 D13 D14 D15 D16 D17 D18 D19 D20 D21 D22 D23 D24 D25 D26 D27 E1 E2 E3 E4 E5 E6 E7 E8 E9 E10 E11 E12 E13 E14 E15 E16 E17 E18 E19 E20 E21 E22 E23 E24 E25 E26 F1 F2 F3 F4 F5 F6 F7 F8 F9 F10 F11 F12 F13 F14 F15 F16 F17 F18 F19 F20 F21 F22 F23 F24 F25 F26 F27; SLOT17 A25 A26 A27 B25 B26 B27 C25 C26 C27 D1 D2 D3 D4 D5 D6 D7 D8 D9 D10 D11 D12 D13 D14 D15 D16 D17 D18 D19 D20 D21 D22 D23 D24 D25 D26 D27 E1 E2 E3 E4 E5 E6 E7 E8 E9 E10 E11 E12 E13 E14 E15 E16 E17 E18 E19 E20 E21 E22 E23 E24 E25 E26 F1 F2 F3 F4 F5 F6 F7 F8 F9 F10 F11 F12 F13 F14 F15 F16 F17 F18 F19 F20 F21 F22 F23 F24 F25 F26 F27; SLOT18 A16 A17 A19 A20 B16 B17 B18 B19 B20 C17 C18 C19 D13 D18 D23 D24; SLOT19 A25 A26 A27 B25 B26 B27 C25 C26 C27 D1 D2 D3 D4 D5 D6 D7 D8 D9 D10 D11 D12 D13 D14 D15 D16 D17 D18 D19 D20 D21 D22 D23 D24 D25 D26 D27 E1 E2 E3 E4 E5 E6 E7 E8 E9 E10 E11 E12 E13 E14 E15 E16 E17 E18 E19 E20 E21 E22 E23 E24 E25 E26 F1 F2 F3 F4 F5 F6 F7 F8 F9 F10 F11 F12 F13 F14 F15 F16 F17 F18 F19 F20 F21 F22 F23 F24 F25 F26 F27; SLOT20 A25 A26 A27 B25 B26 B27 C25 C26 C27 D1 D2 D3 D4 D5 D6 D7 D8 D9 D10 D11 D12 D13 D14 D15 D16 D17 D18 D19 D20 D21 D22 D23 D24 D25 D26 D27 E1 E2 E3 E4 E5 E6 E7 E8 E9 E10 E11 E12 E13 E14 E15 E16 E17 E18 E19 E20 E21 E22 E23 E24 E25 E26 F1 F2 F3 F4 F5 F6 F7 F8 F9 F10 F11 F12 F13 F14 F15 F16 F17 F18 F19 F20 F21 F22 F23 F24 F25 F26 F27; SLOT21 A2 A5 A8 A11 A14 A17 A20 A23 B3 B6 B9 B12 B15 B18 B21 B24; SLOT22 A2 A5 A8 A11 A14 A17 A20 A23 B3 B6 B9 B12 B15 B18 B21 B24; SLOT23 A2 A5 A8 A11 A14 A17 A20 A23 B3 B6 B9 B12 B15 B18 B21 B24; SLOT24 A2 A5 A8 A11 A14 A17 A20 A23 B3 B6 B9 B12 B15 B18 B21 B24; SWR1 5; T12 4 5 12 13; T13 4 5 12 13; TFBGA273-17X17-P0.8MM1 1; TPL1 1; TPL2 1; TPL3 1; TPL4 1; TPL5 1; TPL6 1; TPL7 1; TPL8 1; TPL9 1; TPL10 1; TPL11 1; TPL12 1; TPL13 1; TPL14 1; TPL15 1; TPL16 1; TPL17 1; TPL18 1; TPL19 1; TPL20 1; TPL21 1; TPL22 1; TPL23 1; TPL24 1; U6 18 19 46 47 48 49; U17 6 7 58 59 60 61; U18 27 28 36 37 38 39; UNK1CON1 4 5 7 8; UNK1CON3 4 5 7 8; UNK1HOST1 37 38 41 42 43 44 46 47 48 49 56 57 58 59 NUT1 NUT2 NUT3 NUT4; UNK1HOST2 37 38 41 42 43 44 46 47 48 49 56 57 58 59 NUT1 NUT2 NUT3 NUT4; UNK1K5 8; UNK1K6 8; UNK1K7 3; UNK1K54 2 7; UNK1K58 2 7; UNK1K124 2 7; UNK1K144 18 42; UNK1K145 6 7 15 16 18 22 23 26 27 31 32 35 36 42; UNK1K184 18 42; UNK1K213 18 42; UNK1K214 18 42; UNK1K217 2 3 6 7 18 31 32 33 34 35 36 37 38 42; UNK1K223 8 9 10; UNK1K228 5 6 7; UNK1K231 2 3 4; UNK1K240 4 5; UNK1K241 4 5; UNK1K242 4 5; UNK1K243 4 5; UNK1MQS1 5 14; UNK1PT1 GH1 GH2; UNK1PT3 GH1 GH2; UNK1R553 2; UNK1R555 2; UNK1R556 2; UNK1R557 2; UNK1R558 2; UNK1R559 2; UNK1R560 2; UNK1R561 2; UNK1R562 2; UNK1R567 2; UNK1R578 2; UNK1R579 2; UNK1R580 2; UNK1R581 2; UNK1R582 2; UNK1R583 2; UNK1RG73 2; UNK1RG74 2; UNK1RG75 2; UNK1RG76 2; UNK1RG77 2; UNK1RG78 2; UNK1RH130 2; UNK1RH132 2; UNK1RH152 1; UNK1RH162 1; UNK1RH182 1; UNK1RH192 1; UNK1RH230 2; UNK1RH232 2; UNK1RH252 1; UNK1RH262 1; UNK1RH282 1; UNK1RH292 1; UNK1RH1104 1; UNK1RH1182 1; UNK1RH1192 1; UNK1RH1232 1; UNK1RH1243 1; UNK1RH1263 1; UNK1RH1273 1; UNK1RH1283 1; UNK1RH2104 1; UNK1RH2182 1; UNK1RH2192 1; UNK1RH2232 1; UNK1RH2243 1; UNK1RH2263 1; UNK1RH2273 1; UNK1RH2283 1; UNK1RL38 2; UNK1SWR1 5; UNK1T12 4 5 12 13; UNK1T13 4 5 12 13; UNK1U6 18 19 46 47 48 49; UNK1U17 6 7 58 59 60 61; UNK1U18 27 28 36 37 38 39; UNK2CON1 4 5 7 8; UNK2CON3 4 5 7 8; UNK2HOST1 37 38 41 42 43 44 46 47 48 49 56 57 58 59 NUT1 NUT2 NUT3 NUT4; UNK2HOST2 37 38 41 42 43 44 46 47 48 49 56 57 58 59 NUT1 NUT2 NUT3 NUT4; UNK2K5 8; UNK2K6 8; UNK2K7 3; UNK2K54 2 7; UNK2K58 2 7; UNK2K124 2 7; UNK2K144 18 42; UNK2K145 6 7 15 16 18 22 23 26 27 31 32 35 36 42; UNK2K184 18 42; UNK2K213 18 42; UNK2K214 18 42; UNK2K217 2 3 6 7 18 31 32 33 34 35 36 37 38 42; UNK2K223 8 9 10; UNK2K228 5 6 7; UNK2K231 2 3 4; UNK2K240 4 5; UNK2K241 4 5; UNK2K242 4 5; UNK2K243 4 5; UNK2MQS1 5 14; UNK2PT1 GH1 GH2; UNK2PT3 GH1 GH2; UNK2R553 2; UNK2R555 2; UNK2R556 2; UNK2R557 2; UNK2R558 2; UNK2R559 2; UNK2R560 2; UNK2R561 2; UNK2R562 2; UNK2R567 2; UNK2R578 2; UNK2R579 2; UNK2R580 2; UNK2R581 2; UNK2R582 2; UNK2R583 2; UNK2RG73 2; UNK2RG74 2; UNK2RG75 2; UNK2RG76 2; UNK2RG77 2; UNK2RG78 2; UNK2RH130 2; UNK2RH132 2; UNK2RH152 1; UNK2RH162 1; UNK2RH182 1; UNK2RH192 1; UNK2RH230 2; UNK2RH232 2; UNK2RH252 1; UNK2RH262 1; UNK2RH282 1; UNK2RH292 1; UNK2RH1104 1; UNK2RH1182 1; UNK2RH1192 1; UNK2RH1232 1; UNK2RH1243 1; UNK2RH1263 1; UNK2RH1273 1; UNK2RH1283 1; UNK2RH2104 1; UNK2RH2182 1; UNK2RH2192 1; UNK2RH2232 1; UNK2RH2243 1; UNK2RH2263 1; UNK2RH2273 1; UNK2RH2283 1; UNK2RL38 2; UNK2SWR1 5; UNK2T12 4 5 12 13; UNK2T13 4 5 12 13; UNK2U6 18 19 46 47 48 49; UNK2U17 6 7 58 59 60 61; UNK2U18 27 28 36 37 38 39; UNK3CON1 4 5 7 8; UNK3CON3 4 5 7 8; UNK3HOST1 37 38 41 42 43 44 46 47 48 49 56 57 58 59 NUT1 NUT2 NUT3 NUT4; UNK3HOST2 37 38 41 42 43 44 46 47 48 49 56 57 58 59 NUT1 NUT2 NUT3 NUT4; UNK3K5 8; UNK3K6 8; UNK3K7 3; UNK3K54 2 7; UNK3K58 2 7; UNK3K124 2 7; UNK3K144 18 42; UNK3K145 6 7 15 16 18 22 23 26 27 31 32 35 36 42; UNK3K184 18 42; UNK3K213 18 42; UNK3K214 18 42; UNK3K217 2 3 6 7 18 31 32 33 34 35 36 37 38 42; UNK3K223 8 9 10; UNK3K228 5 6 7; UNK3K231 2 3 4; UNK3K240 4 5; UNK3K241 4 5; UNK3K242 4 5; UNK3K243 4 5; UNK3MQS1 5 14; UNK3PT1 GH1 GH2; UNK3PT3 GH1 GH2; UNK3R553 2; UNK3R555 2; UNK3R556 2; UNK3R557 2; UNK3R558 2; UNK3R559 2; UNK3R560 2; UNK3R561 2; UNK3R562 2; UNK3R567 2; UNK3R578 2; UNK3R579 2; UNK3R580 2; UNK3R581 2; UNK3R582 2; UNK3R583 2; UNK3RG73 2; UNK3RG74 2; UNK3RG75 2; UNK3RG76 2; UNK3RG77 2; UNK3RG78 2; UNK3RH130 2; UNK3RH132 2; UNK3RH152 1; UNK3RH162 1; UNK3RH182 1; UNK3RH192 1; UNK3RH230 2; UNK3RH232 2; UNK3RH252 1; UNK3RH262 1; UNK3RH282 1; UNK3RH292 1; UNK3RH1104 1; UNK3RH1182 1; UNK3RH1192 1; UNK3RH1232 1; UNK3RH1243 1; UNK3RH1263 1; UNK3RH1273 1; UNK3RH1283 1; UNK3RH2104 1; UNK3RH2182 1; UNK3RH2192 1; UNK3RH2232 1; UNK3RH2243 1; UNK3RH2263 1; UNK3RH2273 1; UNK3RH2283 1; UNK3RL38 2; UNK3SWR1 5; UNK3T12 4 5 12 13; UNK3T13 4 5 12 13; UNK3U6 18 19 46 47 48 49; UNK3U17 6 7 58 59 60 61; UNK3U18 27 28 36 37 38 39; UNK087-0068F0400000-99 1; UNK087-0273B0800000-100 1; UNK980RT-9068CJ-K9X- 1

## Via types
v1: diameter 0.508, hole 0.254, TOP to BOTTOM, 6577 vias
v2: diameter 0.61, hole 0.305, TOP to BOTTOM, 8074 vias
v3: diameter 0.508, hole 0.259, TOP to BOTTOM, 120 vias
v4: diameter 0.508, hole 0.257, TOP to BOTTOM, 72 vias

## Routing (per net, layer and track width the routed paths; a pad name or vN(x,y) marks a point on that pad's centre or on a via; arc(x,y) is an arc through that point)
AGND: length 44.9
  TOP w0.203: SLOT20.B20 388.53,131.33 388.81,131.61 CTO_DGS25.2 ; SLOT16.B8 307.25,107.33 307.53,107.61 CTO_DGS21.2 ; SLOT16.B14 307.25,119.33 307.53,119.61 CTO_DGS19.2 ; SLOT20.B5 388.53,101.33 388.81,101.61 CTO_DGS30.2 ; SLOT17.B23 327.57,137.33 327.85,137.61 CTO_DGS00.2 ; CTO_DGS26.2 388.81,125.61 388.53,125.33 SLOT20.B17 ; CTO_DGS06.2 327.85,101.61 327.57,101.33 SLOT17.B5 ; SLOT17.B20 327.57,131.33 327.85,131.61 CTO_DGS01.2 ; SLOT17.B14 327.57,119.33 327.85,119.61 CTO_DGS03.2 ; SLOT16.B23 307.25,137.33 307.53,137.61 CTO_DGS16.2 ; CTO_DGS29.2 388.81,107.61 388.53,107.33 SLOT20.B8 ; SLOT19.B17 368.21,125.33 368.49,125.61 CTO_DGS10.2 ; SLOT17.B11 327.57,113.33 327.85,113.61 CTO_DGS04.2 ; CTO_DGS08.2 368.49,137.61 368.21,137.33 SLOT19.B23 ; CTO_DGS23.2 307.53,95.61 307.25,95.33 SLOT16.B2 ; CTO_DGS28.2 388.81,113.61 388.53,113.33 SLOT20.B11 ; SLOT20.B14 388.53,119.33 388.81,119.61 CTO_DGS27.2 ; SLOT20.B23 388.53,137.33 388.81,137.61 CTO_DGS24.2 ; CTO_DGS11.2 368.49,119.61 368.21,119.33 SLOT19.B14 ; CTO_DGS20.2 307.53,113.61 307.25,113.33 SLOT16.B11 ; CTO_DGS14.2 368.49,101.61 368.21,101.33 SLOT19.B5 ; SLOT17.B2 327.57,95.33 327.85,95.61 CTO_DGS07.2 ; CTO_DGS15.2 368.49,95.61 368.21,95.33 SLOT19.B2 ; SLOT16.B5 307.25,101.33 307.53,101.61 CTO_DGS22.2 ; SLOT17.B17 327.57,125.33 327.85,125.61 CTO_DGS02.2 ; CTO_DGS12.2 368.49,113.61 368.21,113.33 SLOT19.B11 ; SLOT20.B2 388.53,95.33 388.81,95.61 CTO_DGS31.2 ; SLOT19.B8 368.21,107.33 368.49,107.61 CTO_DGS13.2 ; SLOT17.B8 327.57,107.33 327.85,107.61 CTO_DGS05.2 ; CTO_DGS18.2 307.53,125.61 307.25,125.33 SLOT16.B17 ; SLOT16.B20 307.33,130.69 307.33,131.41 307.53,131.61 CTO_DGS17.2
  TOP w0.254: SLOT19.B20 368.21,131.32 368.5,131.61 CTO_DGS09.2
  vias: v2(322.18,59.18) v2(322.18,54.61) v2(322.18,50.04) v2(322.18,45.47) v2(325.36,59.18) v2(325.36,54.61) v2(325.36,50.04) v2(325.36,45.47)
DGND: length 4600.2
  TOP w0.115: v2(28.8,395.86) 27.55,395.86 27.3,395.61 BST1.6 ; v2(37.79,461.27) v2(36.64,461.27)
  TOP w0.203: UNK1STG2.1 v2(361.67,40.03) ; STG2.1 v2(180.5,40.03) ; UNK2STG2.1 v2(326.02,437.41) ; UNK3STG2.1 v2(503.8,437.41)
  TOP w0.254: v1(605.2,259.02) 605.97,259.02 ; v1(85.4,273.42) 84.62,273.42 ; v1(99.8,271.82) 100.57,271.82 ; v1(404.5,213.42) 404.5,214.24 ; v1(85.4,209.42) 84.62,209.42 ; v1(288.5,213.42) 288.5,214.04 ; v1(605.2,263.02) 605.97,263.02 ; UNK1STB00.2 420.18,144.61 SLOT1-DOWN.B27 ; v1(406.1,273.42) 406.1,274.24 ; v1(408.5,273.42) 408.5,274.04 ; v1(605.2,203.02) 605.97,203.02 ; v1(590.8,260.62) 590.02,260.62 ; SLOT1-UP.B6 420.18,336.54 UNK1STB64.2 ; v1(85.4,269.42) 84.62,269.42 ; v1(288.5,273.42) 288.5,274.04 ; UNK2STB00.2 255.76,144.61 SLOT2-DOWN.B27 ; v1(99.8,267.82) 100.57,267.82 ; v1(590.8,204.62) 590.02,204.62 ; STB00.2 280.78,144.61 SLOT0-DOWN.B27 ; v1(404.5,273.42) 404.5,274.24 ; v1(406.1,213.42) 406.1,214.24 ; SLOT3-DOWN.B27 445.2,144.61 UNK3STB00.2 ; SLOT0-UP.B6 280.78,336.54 STB64.2 ; v1(286.1,213.42) 286.1,214.24 ; SLOT2-UP.B6 255.76,336.54 UNK2STB64.2 ; UNK3STB64.2 445.2,336.54 SLOT3-UP.B6 ; v1(99.8,207.82) 100.57,207.82 ; v1(286.1,273.42) 286.1,274.24 ; v1(590.8,264.62) 590.02,264.62 ; v1(590.8,200.62) 590.02,200.62 ; v1(408.5,213.42) 408.5,214.04 ; v1(85.4,213.42) 84.62,213.42 ; v1(99.8,211.82) 100.57,211.82 ; v1(284.5,273.42) 284.5,274.24 ; v1(284.5,213.42) 284.5,214.24 ; v1(605.2,199.02) 605.97,199.02
  TOP w0.3: HOST2.G20 279.73,38.43 279.23,37.93 HOST2.15 ; UNK1HOST2.45 468.08,41.13 v2(467.82,41.38) ; UNK1HOST1.45 406.07,41.13 v2(405.81,41.38) ; UNK1HOST1.15 399.67,37.93 400.17,38.43 UNK1HOST1.G20 ; v2(283.15,434.79) 282.89,435.04 UNK2HOST1.45 ; HOST2.45 285.63,41.13 v2(285.37,41.38) ; UNK3HOST2.15 405.07,438.24 404.57,437.74 UNK3HOST2.G20 ; v2(460.93,434.79) 460.68,435.04 UNK3HOST1.45 ; UNK3HOST2.45 398.67,435.04 v2(398.92,434.79) ; UNK2HOST2.15 227.28,438.24 226.78,437.74 UNK2HOST2.G20 ; UNK3HOST1.15 467.08,438.24 466.58,437.74 UNK3HOST1.G20 ; UNK2HOST1.G20 288.79,437.74 289.29,438.24 UNK2HOST1.15 ; v2(221.14,434.79) 220.88,435.04 UNK2HOST2.45 ; UNK1HOST2.G20 462.18,38.43 461.68,37.93 UNK1HOST2.15 ; HOST1.G20 217.72,38.43 217.22,37.93 HOST1.15 ; v2(223.36,41.38) 223.62,41.13 HOST1.45 ; RT1.2 v2(24.6,397.53)
  TOP w0.305: v2(155.47,454.9) 155.59,454.79 UNK2SWR1.8 ; v2(576.07,39.18) 575.96,39.3 UNK1SWR1.8 ; v2(118.64,33.62) 118.53,33.74 SWR1.8 ; SWR1.4 v2(120.86,32.67) ; v2(571.68,451.88) 571.8,451.76 UNK3SWR1.8 ; UNK1SWR1.4 v2(578.3,38.23) ; UNK2SWR1.4 v2(153.25,455.85) ; UNK3SWR1.4 v2(569.46,452.83)
  TOP w0.508: v2(250.82,43.06) 250.83,43.05 SPIH21.4 ; v1(286.44,241.25) 288.15,239.55 S2_DGND2.1 ; UNK2C171.2 v2(57.8,365.14) ; v1(58.23,253.95) 57.85,254.34 UNK2C181.2 ; UNK2SPIH21.4 255.68,433.12 v2(255.69,433.11) ; v2(317.7,433.11) 317.69,433.12 UNK2SPIH11.4 ; v2(495.49,433.11) 495.48,433.12 UNK3SPIH11.4 ; UNK1C324.2 v2(636.62,122.15) ; v2(188.81,43.06) 188.82,43.05 SPIH11.4 ; v2(371.26,43.06) 371.27,43.05 UNK1SPIH11.4 ; v2(433.27,43.06) 433.28,43.05 UNK1SPIH21.4 ; UNK1CG101.2 604.16,234.32 ; S2_DGND1.1 295.77,241.07 v1(296.08,241.38) ; v1(58.23,248.74) 57.85,249.13 UNK2R7.2 ; S0_DGND2.1 288.15,179.55 v1(286.44,181.25) ; v1(276.55,241.38) 277.35,240.58 S2_DGND3.1 ; v1(58.23,250.78) 57.85,250.4 UNK2C182.2 ; v1(58.23,255.99) 57.85,255.61 UNK2R6.2 ; v1(396.55,181.38) 397.35,180.58 S1_DGND3.1 ; UNK2CG101.2 86.43,238.12 ; S0_DGND1.1 295.77,181.07 v1(296.08,181.38) ; CG101.2 86.43,178.12 ; UNK3CG101.2 604.16,294.32 ; v1(58.23,193.95) 57.85,194.34 C181.2 ; v1(58.23,190.78) 57.85,190.4 C182.2 ; R6.2 57.85,195.61 v1(58.23,195.99) ; S1_DGND1.1 415.77,181.07 v1(416.08,181.38) ; UNK1C171.2 v2(636.62,141.69) ; 240.65,434.68 239.66,435.67 ; UNK3C171.2 v2(636.62,343.93) ; UNK3SPIH21.4 433.47,433.12 v2(433.48,433.11) ; v1(276.55,181.38) 277.35,180.58 S0_DGND3.1 ; v1(416.08,241.38) 415.77,241.07 S3_DGND1.1 ; UNK3C324.2 v2(636.62,324.39) ; R7.2 57.85,189.13 v1(58.23,188.74) ; v1(406.44,241.25) 408.15,239.55 S3_DGND2.1 ; S1_DGND2.1 408.15,179.55 v1(406.44,181.25) ; UNK2C324.2 v2(57.8,345.6) ; RUV1.2 29.26,398.52 v2(29.37,398.41) ; S3_DGND3.1 397.35,240.58 v1(396.55,241.38) ; C171.2 v2(57.76,142.58) ; C324.2 v2(57.76,123.04)
  L05_SIGNAL w0.105: 112.25,240.52 111.64,239.91 111.64,236.07 113.75,233.96 128.36,233.96 129.88,232.44 166.38,232.44 168.54,230.28 197.37,230.28 199.47,228.17 284.22,228.17 296.31,216.08 321.7,216.08 325.15,212.62 340.42,212.62 343.67,215.87 396.1,215.87 396.6,216.38 459.95,216.38 462.82,219.25 495.87,219.25 497.57,220.95 541.03,220.95 549.13,229.06 555.05,229.06 557.56,231.57 557.56,234.06 559.7,236.19 577.02,236.19 577.71,235.51 577.71,233.78 578.34,233.15 578.34,231.92
  L15_SIGNAL w0.203: v2(407.98,243.2) 407.98,256.55 406.9,257.64 404.28,257.64 v1(402.9,259.02) ; v1(278.1,199.02) 277.86,198.78 v2(277.86,183.4) ; v2(412.79,194.22) 411.9,194.22 411.03,195.09 411.03,198.89 v1(410.9,199.02) ; v2(412.79,254.22) 411.9,254.22 411.03,255.09 411.03,258.89 v1(410.9,259.02) ; v2(287.98,183.2) 287.98,196.55 286.9,197.64 284.28,197.64 v1(282.9,199.02) ; v2(407.98,183.2) 407.98,196.55 406.9,197.64 404.28,197.64 v1(402.9,199.02) ; v1(290.9,199.02) 291.03,198.89 291.03,195.09 291.9,194.22 v2(292.79,194.22) ; v2(397.86,243.4) 397.86,258.78 v1(398.1,259.02) ; v1(398.1,199.02) 397.86,198.78 v2(397.86,183.4) ; v1(290.9,259.02) 291.03,258.89 291.03,255.09 291.9,254.22 v2(292.79,254.22) ; v2(277.86,243.4) 277.86,258.78 v1(278.1,259.02) ; v1(282.9,259.02) 284.28,257.64 286.9,257.64 287.98,256.55 v2(287.98,243.2)
  L36_SIGNAL w0.102: 280.1,269.02 280.5,268.62 ; 400.5,208.62 400.1,208.23 ; 280.5,208.62 279.76,208.62
  L38_SIGNAL w0.203: 638.54,153.12 635.63,156.03 629.24,156.03 626.95,158.32 559.45,158.32 545.35,144.21 545.35,88.49 527.75,70.9 118.83,70.9 104,85.72 77.33,85.72 69.07,93.98 69.07,114.3 65.9,117.47 65.9,152.4 65.41,152.89 60.8,152.89 59.69,154.01 ; 59.69,166.73 60.8,165.61 64.75,165.61 65.52,164.85 69.96,164.85 70.98,163.83 70.98,119.38 74.79,115.57 74.79,93.98 80.5,88.26 106.47,88.26 121.97,72.77 526.93,72.77 542.5,88.33 542.5,149.11 561.61,168.22 636.15,168.22 638.54,165.83 ; 52.64,154.01 52.64,153.83 54.34,152.13 64.26,152.13 64.63,151.76 64.63,116.84 67.8,113.66 67.8,93.34 76.69,84.46 103.36,84.46 117.76,70.06 528.1,70.06 546.19,88.14 546.19,143.87 559.8,157.48 626.6,157.48 630.96,153.12 631.5,153.12 ; 52.64,166.73 52.64,166.54 54.34,164.85 63.99,164.85 64.75,164.08 68.82,164.08 69.71,163.19 69.71,118.75 73.52,114.94 73.52,92.71 79.23,87 105.9,87 120.97,71.93 527.28,71.93 543.34,87.99 543.34,148.76 561.96,167.39 629.95,167.39 631.5,165.83
  L40_SIGNAL w0.1: 669.62,384.9 669.47,385.05 669.47,410.02 669.63,410.18 ; 668.94,410.18 669.1,410.02 669.1,385.06 668.94,384.9
  L40_SIGNAL w0.105: 223.67,449.12 223.1,449.69 223.1,451.09 223.67,451.66
  BOTTOM w0.115: 588.37,240.67 588.37,240.8 ; v1(547.96,212.82) 547.96,214.05 ; 602.59,240.67 602.59,240.8 ; 574.97,250.92 574.97,251.05 ; 598.53,240.67 598.53,240.8 ; 590.4,240.67 590.4,240.8 ; 586.33,240.67 586.33,240.8 ; v1(142.64,199.62) 142.64,198.39 ; v1(234.67,243.82) 234.67,242.59 ; v1(547.96,272.82) 547.96,274.05 ; 606.65,240.67 606.65,240.8 ; v1(462.06,198.12) 462.06,199.35 ; 584.3,240.67 584.3,240.8 ; RL43.1 233.67,184.45 v1(233.55,184.57) ; 604.62,240.67 604.62,240.8 ; 594.46,240.67 594.46,240.8 ; v1(462.06,258.12) 462.06,259.35 ; v1(142.64,259.62) 142.64,258.39 ; 596.49,240.67 596.49,240.8 ; 600.56,240.67 600.56,240.8
  BOTTOM w0.203: UNK2STG01.1 v2(265.1,442) ; STG01.1 v2(241.41,34.17) ; UNK1STG6.1 v2(397.86,183.4) ; UNK3STG1.1 v2(407.98,243.2) ; UNK3STG6.1 v2(397.86,243.4) ; UNK2STG3.1 v2(292.79,254.22) ; STG1.1 v2(287.98,183.2) ; UNK2STG6.1 v2(277.86,243.4) ; UNK3STG3.1 v2(412.79,254.22) ; UNK2STG1.1 v2(287.98,243.2) ; STG3.1 v2(292.79,194.22) ; STG6.1 v2(277.86,183.4) ; UNK1STG3.1 v2(412.79,194.22) ; UNK3STG01.1 v2(442.89,442) ; UNK1STG1.1 v2(407.98,183.2) ; UNK1STG01.1 v2(423.86,34.17)